# Altium PCB TB-S5D5_v1.2.PcbDoc (part 3 of 3)
Units mm, origin at the board's own origin, x right, y up, seen from the top; angles counter-clockwise.
Board outline 80 x 125 mm, 6 copper layers (Top L1, Sig L2, GND L3, Sig L4, Sig L5, Bot L6), stack 1.601 mm thick; 125 components, 261 nets, 672 pads, 551 vias.
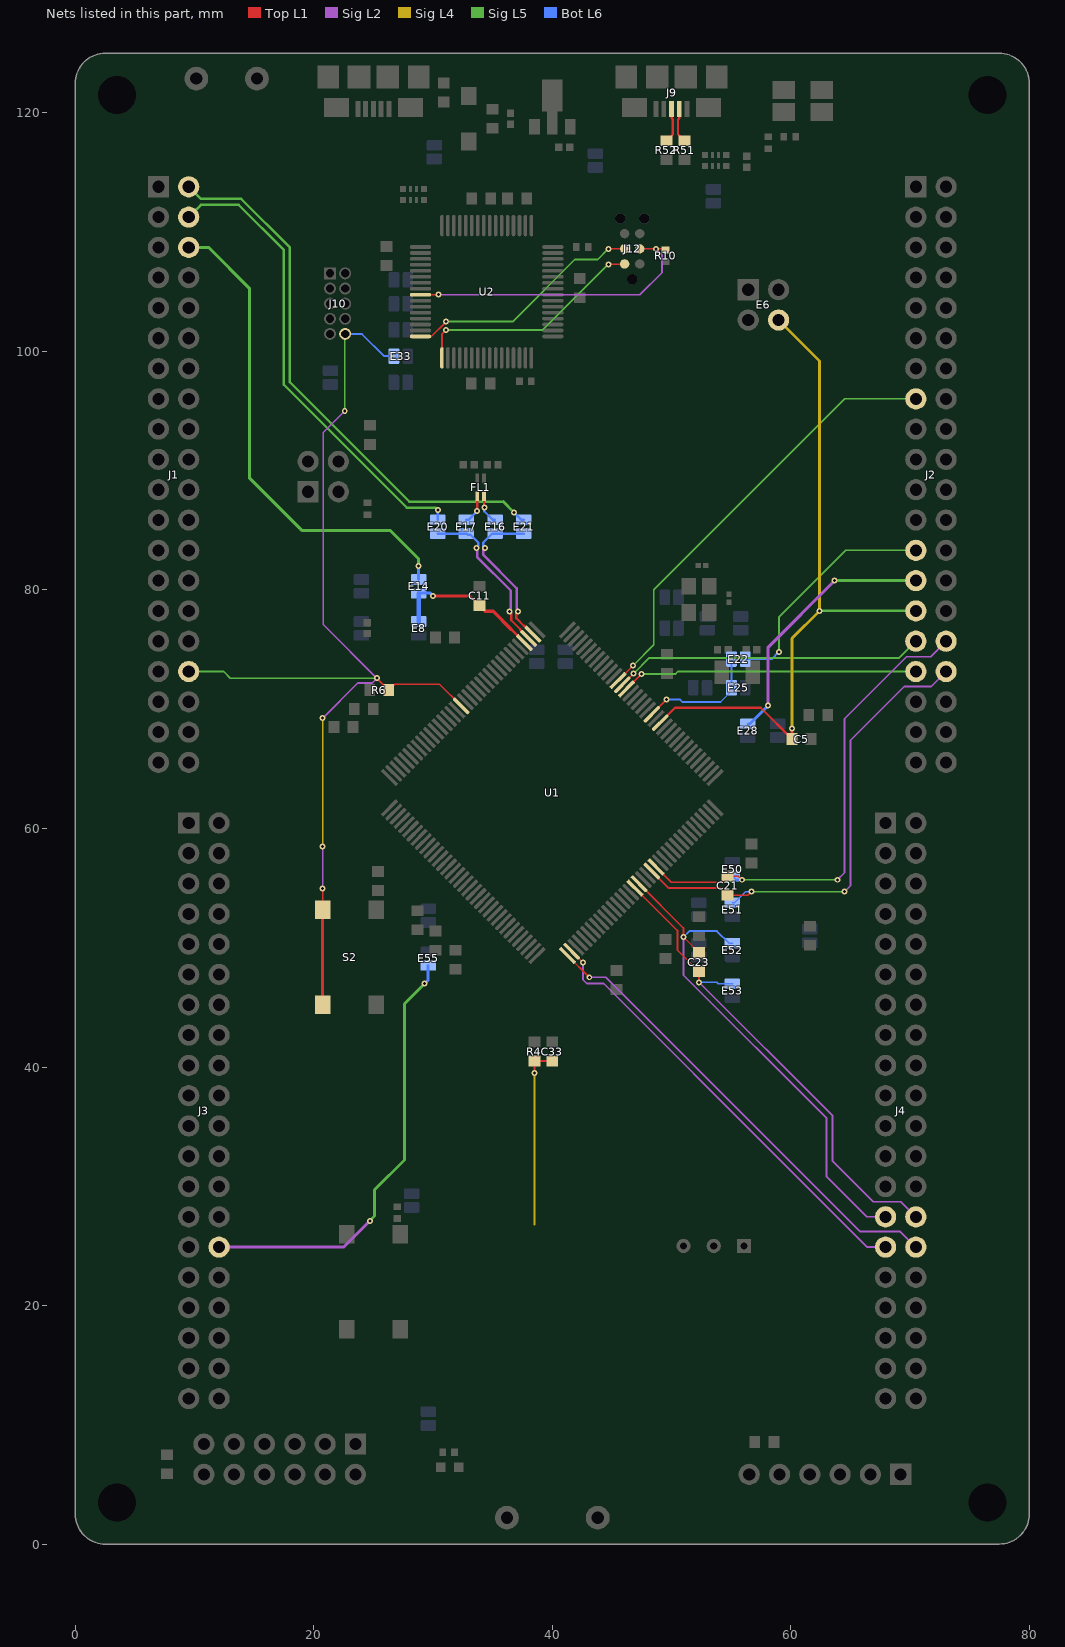
[diagram p7: the nets of this part, all layers, seen from the top]

## Via types
v1: diameter 0.5, hole 0.25, Top L1 to Bot L6, tented both sides, 551 vias

## Nets (pads, with @x,y where several pads share a name; then routed paths per layer and width w, separated by ;. In a path a pad name is that pad's centre, name@x,y a point inside that pad or via, vN(x,y) a via of type N, cw(c..) or ccw(c..) an arc to the next point about the centre after c; other vN are vias at no path point) (continued)
P711: J2.15 U1.24 | length 37.4
  Top L1 w0.15: U1.24@45.515,72.405 v1(46.764,73.654)
  Sig L5 w0.15: v1(46.764,73.654) 48.5,75.389 48.5,80 64.52,96.02 J2.15@70.48,96.02
P712: J2.31 U1.23 | length 26.1
  Top L1 w0.15: U1.23@45.869,72.051 v1(46.814,72.996)
  Sig L5 w0.15: v1(46.814,72.996) 48.118,74.3 69.08,74.3 J2.31@70.48,75.7
P713: J2.33 U1.22 | length 24.9
  Top L1 w0.15: U1.22@46.223,71.697 v1(47.472,72.946)
  Sig L5 w0.15: v1(47.472,72.946) 50.3,72.946 50.514,73.16 J2.33@70.48,73.16
P800: J4.30 U1.109 | length 39.3
  Top L1 w0.15: U1.109@41.273,49.353 v1(43.1,47.526)
  Sig L2 w0.15: v1(43.1,47.526) 44.486,47.526 65.811,26.2 69.18,26.2 J4.30@70.48,24.9
P801: J4.29 U1.110 | length 37.4
  Top L1 w0.15: U1.110@41.626,49.706 v1(42.572,48.761)
  Sig L2 w0.15: v1(42.572,48.761) 42.572,47.328 42.9,47 44.3,47 59.393,31.907 66.4,24.9 J4.29@67.94,24.9
RESET#: E33.1 J1.34 J10.10 R6.1 S2.3 S2.4 U1.55 | length 90.7
  Top L1 w0.15: S2.3@20.75,53.175 v1(20.75,54.95) ; v1(25.3,72.6) R6.1@26.3,71.6 26.8,72.1 30.546,72.1 U1.55@32.363,70.283
  Top L1 w0.25: S2.4@20.75,45.225 S2.3@20.75,53.175
  Sig L2 w0.15: v1(20.75,54.95) v1(20.75,58.5) ; v1(20.75,69.25) 23.7,72.2 24.9,72.2 v1(25.3,72.6) 20.8,77.1 20.8,93.2 v1(22.6,95)
  Sig L5 w0.15: J1.34@9.52,73.16 12.44,73.16 13,72.6 v1(25.3,72.6) ; v1(22.6,95) J10.10@22.6,101.425
  Sig L4 w0.15: v1(20.75,58.5) v1(20.75,69.25)
  Bot L6 w0.15: J10.10@22.635,101.46 24.04,101.46 25.9,99.6 E33.1@26.725,99.6
RESET_OB#: J12.3 R10.1 U2.25 | length 25.4
  Top L1 w0.15: U2.25@28.95,104.75 v1(30.45,104.75) ; J12.3@47.335,108.6 v1(48.7,108.6) 49.4,108.6 R10.1@49.5,108.5
  Sig L2 w0.15: v1(30.45,104.75) 47.35,104.75 49.2,106.6 49.2,108.1 v1(48.7,108.6)
SWCLK_OB: J12.4 U2.32 | length 20.2
  Top L1 w0.15: U2.32@28.95,101.25 29.85,101.25 v1(31.1,102.5) ; v1(44.7,108.6) J12.4@46.065,108.6
  Sig L5 w0.15: v1(31.1,102.5) 36.7,102.5 41.9,107.7 43.8,107.7 v1(44.7,108.6)
SWDIO_OB: J12.2 U2.33 | length 19.8
  Top L1 w0.15: U2.33@30.75,99.45 30.75,101.45 v1(31.1,101.8) ; v1(44.7,107.3) 46.035,107.3 J12.2@46.065,107.33
  Sig L5 w0.15: v1(31.1,101.8) 39.2,101.8 v1(44.7,107.3)
TS_CONN: C33.2 R4.2 | length 15.2
  Top L1 w0.15: v1(38.5,39.5) R4.2@38.5,40.5 C33.2@40,40.5
  Sig L4 w0.15: 38.5,26.8 v1(38.5,39.5)
USB_N: E16.1 FL1.1 | length 2.4
  Top L1 w0.2: v1@34.275,86.925 FL1.1@34.275,87.85
  Bot L6 w0.2: v1(34.3,86.9) 34.3,86.6 35.025,85.875 E16.1@35.2,85.875
USB_P: E17.1 FL1.4 | length 2.4
  Top L1 w0.2: v1@33.725,86.625 FL1.4@33.725,87.85
  Bot L6 w0.2: E17.1@32.8,85.875 32.975,85.875 v1(33.7,86.6)
USBF_N: J9.2 R51.2 | length 2.6
  Top L1 w0.2: J9.2@50.65,120.325 50.65,119.55 50.537,119.438 50.537,118.2 R51.2@50.875,117.862
USBF_P: J9.3 R52.2 | length 2.6
  Top L1 w0.2: R52.2@49.775,117.863 50.112,118.2 50.112,119.438 50,119.55 J9.3@50,120.325
USBMCU_N: E16.2 E21.1 U1.38 | length 13.3
  Top L1 w0.2: v1(37.138,78.2) 36.988,78.05 36.988,77.627 37.614,77.001 37.667,77.001 U1.38@38.374,76.294
  Sig L2 w0.2: v1@34.225,83.388 34.225,82.932 37.025,80.132 37.025,78.313 v1(37.138,78.2) ; v1@34.25,83.413 v1(34.363,83.525)
  Bot L6 w0.2: v1(34.363,83.525) 34.213,83.675 34.213,83.975 34.963,84.725 E16.2@35.2,84.725 E21.1@37.6,84.725
USBMCU_P: E17.2 E20.1 U1.39 | length 13.7
  Top L1 w0.2: v1(36.413,78.2) 36.562,78.05 36.562,77.451 37.313,76.7 37.313,76.647 U1.39@38.02,75.94
  Sig L2 w0.2: v1(33.638,83.525) v1@33.75,83.412 ; v1@33.725,83.387 33.725,82.725 36.525,79.925 36.525,78.313 v1(36.413,78.2)
  Bot L6 w0.2: E20.1@30.4,84.725 E17.2@32.8,84.725 32.9,84.625 33.138,84.625 33.788,83.975 33.788,83.675 v1(33.638,83.525)
USBPH_N: E21.2 J1.2 | length 46.3
  Sig L5 w0.2: J1.2@9.52,113.8 10.54,112.78 13.927,112.78 18,108.707 18,97.407 28.007,87.4 35.9,87.4
  Sig L5 w0.25: 35.9,87.4 v1(36.8,86.5)
  Bot L6 w0.2: v1(36.8,86.5) 37.425,85.875 E21.2@37.6,85.875
USBPH_P: E20.2 J1.4 | length 39.3
  Sig L5 w0.2: J1.4@9.52,111.26 10.54,112.28 13.72,112.28 17.5,108.5 17.5,97.2 27.8,86.9 30.2,86.9 v1(30.4,86.7)
  Bot L6 w0.2: E20.2@30.4,85.875 v1(30.4,86.7)
VBAT: C5.1 E6.4 J2.29 U1.14 | length 58.2
  Top L1 w0.2: U1.14@49.051,68.869 50.3,70.118 57.482,70.118 C5.1@60.1,67.5
  Top L1 w0.25: C5.1@60.1,67.5 v1(60.1,68.4)
  Sig L5 w0.2: v1(62.4,78.24) J2.29@70.48,78.24
  Sig L4 w0.25: E6.4@58.97,102.63 62.4,99.2 v1(62.4,78.24) 60.1,75.94 v1(60.1,68.4)
VCC_USB: E14.2 J1.6 | length 41.1
  Sig L5 w0.25: J1.6@9.52,108.72 11.18,108.72 14.6,105.3 14.6,89.4 19,85 26.4,85 28.8,82.6 v1(28.8,82)
  Bot L6 w0.25: E14.2@28.8,80.875 v1(28.8,82)
VCC_USB_MCU: C11.1 E8.1 E14.1 U1.40 | length 13
  Top L1 w0.2: 36.527,76.727 U1.40@37.667,75.586
  Top L1 w0.25: v1(30,79.5) 33.1,79.5 C11.1@33.9,78.7
  Top L1 w0.3: C11.1@33.9,78.7 34.4,78.2 35.053,78.2 36.527,76.727
  Bot L6 w0.25: E14.1@28.8,79.725 29.775,79.725 v1(30,79.5)
  Bot L6 w0.4: E8.1@28.8,77.35 E14.1@28.8,79.725
VCL: E55.2 J3.30 | length 37
  Sig L2 w0.25: J3.30@12.06,24.9 22.5,24.9 v1(24.7,27.1)
  Sig L5 w0.25: v1(24.7,27.1) 25.1,27.5 25.1,29.7 27.6,32.2 27.6,45.3 v1(29.3,47)
  Bot L6 w0.25: v1(29.3,47) 29.6,47.3 E55.2@29.6,48.525
VCL0: E28.1 J2.27 | length 21.9
  Sig L2 w0.25: v1(58.1,70.3) 58.1,75.2 v1(63.68,80.78)
  Sig L5 w0.25: v1(63.68,80.78) J2.27@70.48,80.78
  Bot L6 w0.25: E28.1@56.4,68.775 56.575,68.775 v1(58.1,70.3)
VREFH: C23.2 E52.1 J4.27 U1.126 | length 44
  Top L1 w0.15: U1.126@47.283,55.363 51,51.646 v1(51,50.9) C23.2@52.3,49.6
  Sig L2 w0.15: v1(51,50.9) 51,47.7 63,35.7 63,30.8 66.36,27.44 J4.27@67.94,27.44
  Bot L6 w0.15: v1(51,50.9) 51.5,51.4 53.8,51.4 54.825,50.375 E52.1@55.1,50.375
VREFH0: C21.2 E50.1 J2.32 U1.130 | length 42
  Top L1 w0.15: U1.130@48.697,56.777 49.975,55.5 54.2,55.5 C21.2@54.7,56 55.6,56 v1(55.9,55.7)
  Sig L2 w0.15: v1(63.9,55.7) 64.5,56.3 64.5,69.2 69.7,74.4 71.72,74.4 J2.32@73.02,75.7
  Sig L5 w0.15: v1(55.9,55.7) v1(63.9,55.7)
  Bot L6 w0.2: E50.1@55.1,56.025 55.425,55.7 v1(55.9,55.7)
VREFL: C23.1 E53.2 J4.28 U1.125 | length 41.5
  Top L1 w0.15: U1.125@46.93,55.01 50.5,51.439 50.5,49.8 C23.1@52.3,48 v1(52.3,47.1)
  Sig L2 w0.15: v1(52.3,47.1) 63.5,35.9 63.5,32.1 66.9,28.7 69.22,28.7 J4.28@70.48,27.44
  Bot L6 w0.15: v1(52.3,47.1) 53.8,47.1 53.925,46.975 E53.2@55.1,46.975
VREFL0: C21.1 E51.2 J2.34 U1.129 | length 42.4
  Top L1 w0.15: U1.129@48.344,56.424 49.768,55 54.1,55 C21.1@54.7,54.4 56.4,54.4 v1(56.7,54.7)
  Sig L2 w0.15: v1(64.5,54.7) 65,55.2 65,67.4 69.5,71.9 71.76,71.9 J2.34@73.02,73.16
  Sig L5 w0.15: v1(56.7,54.7) v1(64.5,54.7)
  Bot L6 w0.15: E51.2@55.1,53.775 55.275,53.775 56.2,54.7 v1(56.7,54.7)
XCIN: E22.1 J2.25 | length 19.8
  Sig L5 w0.15: v1(59,74.8) 59,77.7 64.62,83.32 J2.25@70.48,83.32
  Bot L6 w0.15: E22.1@56.175,74.2 58.4,74.2 v1(59,74.8)
XCIN_MCU: E22.2 E25.2 U1.16 | length 10.1
  Top L1 w0.15: U1.16@48.344,69.576 v1(49.593,70.825)
  Bot L6 w0.15: v1(49.593,70.825) 50.675,70.825 50.9,70.6 54.1,70.6 E25.2@55.025,71.525 ; E25.2@55.025,71.8 E22.2@55.025,74.2
pads on no net: J12.0
copper on no net: | length 6.4
  Top L1 w0.509: 2.754,10 ccw(c2.5,10) 2.754,10 ; 72.254,118 ccw(c72,118) 72.254,118
  Bot L6 w0.509: 2.754,10 ccw(c2.5,10) 2.754,10 ; 72.254,118 ccw(c72,118) 72.254,118

## Polygon pours and split planes (outlines as drawn)
no net on PCB Design Notes "NoTabsRegion_UpperSide" (hatched 90Degree grid 0.508 track 0.203): 55,129.5 55,126 20,126 20,129.5
no net on PCB Design Notes "NoTabsRegion_UpperSide" (hatched 90Degree grid 0.508 track 0.203): 27,-0.5 27,-3.995 7.5,-3.995 7.5,-0.5
no net on PCB Design Notes "NoTabsRegion_UpperSide" (hatched 90Degree grid 0.508 track 0.203): 72.5,-0.5 72.5,-3.995 53.5,-3.995 53.5,-0.5
+3V3JLOB on Sig L4 "+3V3JLOB" (solid, pour order 2): 24.5,113 26.5,115 50.5,115 52.5,113 52.5,99.5 49.5,96.5 30,96.5 24.5,102
+5V_JUSB on Sig L4 "+5V_JUSB" (solid, pour order 0): 13,124.5 13,118.5 16,115.5 34.5,115.5 35.5,116.5 35.5,123.5 34.5,124.5
+3V3 on Sig L4 "3V3_DIST" (solid, remove dead copper, pour order 4): 42,117.5 42,122.5 44,124.5 77.5,124.5 79.5,122.5 79.5,2.525 77.475,0.5 2.525,0.5 0.5,2.525 0.5,8.5 2,10 71,10 72.5,11.5 72.5,61.5 75,64 75,111 69.5,116.5 53,116.5 53,105 62.525,105 62.525,116.5 43,116.5
+3V3MCU on Sig L4 "3V3_MCU_DIST" (solid, remove dead copper, pour order 12): 74.5,106.5 63.5,106.5 63.5,104 53,104 53,99 50,96 29.5,96 24,101.6 24,114.9 16,114.9 12.5,118.4 12.5,124.5 2.525,124.5 0.5,122.475 0.5,16.5 6,11 70.5,11 72,12.5 72,62.5 74.5,65
GND on Top L1 "GND_TOP" (solid, remove dead copper, pour order 8): 1.5,124.5 78.5,124.5 79.5,123.5 79.5,1.5 78.5,0.5 1.5,0.5 0.5,1.5 0.5,123.5
GND on Bot L6 "GND_BOT" (solid, remove dead copper, pour order 10): 1.5,124.5 78.5,124.5 79.5,123.5 79.5,1.5 78.5,0.5 1.5,0.5 0.5,1.5 0.5,123.5
GND on Sig L2 "GND_L2" (solid, remove dead copper, pour order 14): 1.5,124.5 78.5,124.5 79.5,123.5 79.5,1.5 78.5,0.5 1.5,0.5 0.5,1.5 0.5,123.5
GND on Sig L5 "GND_L5" (solid, remove dead copper, pour order 16): 1.5,124.5 78.5,124.5 79.5,123.5 79.5,1.5 78.5,0.5 1.5,0.5 0.5,1.5 0.5,123.5
GND on GND L3 (split plane): 77.659,124.482 77.856,124.453 78.05,124.404 78.238,124.337 78.418,124.252 78.589,124.15 78.749,124.031 78.897,123.897 79.031,123.749 79.15,123.589 79.252,123.418 79.337,123.238 79.404,123.05 79.453,122.856 79.482,122.659 79.491,122.486 79.49,122.475 79.49,2.54 79.491,2.524 79.482,2.341 79.453,2.144 79.404,1.95 79.337,1.762 79.252,1.582 79.15,1.411 79.031,1.251 78.897,1.103 78.749,0.969 78.589,0.85 78.418,0.748 78.238,0.663 78.05,0.596 77.856,0.547 77.659,0.518 77.486,0.509 77.475,0.51 2.55,0.51 2.549,0.51 2.547,0.51 2.537,0.51 2.523,0.509 2.341,0.518 2.144,0.547 1.95,0.596 1.762,0.663 1.582,0.748 1.411,0.85 1.251,0.969 1.103,1.103 0.969,1.251 0.85,1.411 0.748,1.582 0.663,1.762 0.596,1.95 0.547,2.144 0.518,2.341 0.509,2.514 0.51,2.525 0.51,122.46 0.509,122.476 0.518,122.659 0.547,122.856 0.596,123.05 0.663,123.238 0.748,123.418 0.85,123.589 0.969,123.749 1.103,123.897 1.251,124.031 1.411,124.15 1.582,124.252 1.762,124.337 1.95,124.404 2.144,124.453 2.341,124.482 2.514,124.491 2.525,124.49 77.46,124.49 77.476,124.491

## Keep-outs
Keep-Out Layer:
  circle w0.1: c3.5,3.5 r3.5
  circle w0.1: c76.5,3.5 r3.5
  circle w0.1: c3.5,121.5 r3.5
  circle w0.1: c76.5,121.5 r3.5
  circle w0.542: c72,118 r0.93
  circle w0.542: c2.5,10 r0.93

## Other copper
Top L1:
  pour cut-out: 27.8,109.158 30.1,109.158 30.1,100.842 27.8,100.842
  pour cut-out: 38.658,111.7 38.658,109.4 30.342,109.4 30.342,111.7
  pour cut-out: 41.2,100.842 38.9,100.842 38.9,109.158 41.2,109.158
  pour cut-out: 54.6,61.2 53.042,62.758 40.242,49.958 41.8,48.4
  pour cut-out: 26.958,62.758 25.38,61.18 38.18,48.38 39.758,49.958
  pour cut-out: 53.042,63.242 54.62,64.82 41.82,77.62 40.242,76.042
  pour cut-out: 25.4,64.8 26.958,63.242 39.758,76.042 38.2,77.6
  pour cut-out: 45.2,111.7 48.2,111.7 48.2,105.6 45.2,105.6
  pour cut-out: 29.713,112.25 27.013,112.25 27.013,114.05 29.713,114.05
  pour cut-out: 30.342,98.3 30.342,100.6 38.658,100.6 38.658,98.3
  pour cut-out: 37,43.5 37,39 40.8,39 40.8,43.5
Sig L2:
  pour cut-out: 32.5,16.5 44.5,16.5 44.5,28.5 32.5,28.5
  pour cut-out: 37,43.5 37,39 40.8,39 40.8,43.5
Sig L5:
  rectangle: 38.2,74.275 39.2,74.525
  rectangle: 28.3,76.65 29.3,76.9
  rectangle: 32.3,85.175 33.3,85.425
  rectangle: 34.7,85.175 35.7,85.425
  rectangle: 52.5,77.075 53.5,77.325
  region: 50.125,76.3 50.125,77.3 49.875,77.3 49.875,76.3
  region: 50.125,78.9 50.125,79.9 49.875,79.9 49.875,78.9
  region: 52.525,71.3 52.525,72.3 52.275,72.3 52.275,71.3
  region: 55.725,71.3 55.725,72.3 55.475,72.3 55.475,71.3
  region: 59.4,68.325 58.4,68.325 58.4,68.075 59.4,68.075
  region: 30.6,116.825 29.6,116.825 29.6,116.575 30.6,116.575
  region: 44.1,116.125 43.1,116.125 43.1,115.875 44.1,115.875
  region: 54,113.125 53,113.125 53,112.875 54,112.875
  region: 27.175,106.5 27.175,105.5 27.425,105.5 27.425,106.5
  region: 27.175,104.5 27.175,103.5 27.425,103.5 27.425,104.5
  region: 27.175,102.3 27.175,101.3 27.425,101.3 27.425,102.3
  region: 27.175,97.9 27.175,96.9 27.425,96.9 27.425,97.9
  region: 27.175,100.1 27.175,99.1 27.425,99.1 27.425,100.1
  rectangle: 23.5,76.65 24.5,76.9
  rectangle: 29.1,10.4 30.1,10.65
  rectangle: 27.7,28.675 28.7,28.925
  rectangle: 29.3,52.575 29.9,52.825
  rectangle: 54.6,46.275 55.6,46.525
  rectangle: 54.6,49.675 55.6,49.925
  rectangle: 54.6,53.075 55.6,53.325
  rectangle: 51.8,53.075 52.8,53.325
  rectangle: 54.6,56.475 55.6,56.725
  rectangle: 51.8,49.675 52.8,49.925
  pour cut-out: 32.5,16.5 44.5,16.5 44.5,28.5 32.5,28.5
  pour cut-out: 37,43.5 37,39 40.8,39 40.8,43.5
Sig L4:
  rectangle net TS_CONN: 33.5,17.5 43.5,27.5
  pour cut-out: 32.5,16.5 44.5,16.5 44.5,28.5 32.5,28.5
  pour cut-out: 37,43.5 37,39 40.8,39 40.8,43.5
Bot L6:
  pour cut-out: 37,43.5 37,39 40.8,39 40.8,43.5
GND L3 (plane layer: these items are gaps in the copper):
  rectangle: 32.5,16.5 44.5,28.5
  rectangle: 37,39 40.8,43.5
  lines w1: 44,17 44,17.1

## Silkscreen, mask and mechanical layers (free items; w line width, h text height)
Top Overlay:
  circle w0.4: c21.8,81.3 r0.2
  circle w0.4: c21.8,79.3 r0.2
  circle w0.4: c19.8,81.3 r0.2
  circle w0.4: c19.8,79.3 r0.2
  circle w0.4: c19.8,82.8 r0.2
  circle w0.4: c19.8,84.8 r0.2
  circle w0.4: c21.8,82.8 r0.2
  circle w0.4: c21.8,84.8 r0.2
  region: 51.916,37.733
  region: 52.294,37.505
  region: 51.241,38.236
  region: 51.975,38.146 51.974,38.146 51.975,38.146
  lines w0.18: 18,124.5 18,96.5 ; 30,124.5 30,114.4 63,114.4 63,96.5 51.4,96.5 ; 42.8,114.4 42.8,124.5 ; 51.4,114.4 51.4,96.5 ; 57.2,114.4 57.2,124.5 ; 18,96.5 18,78.3 30.1,78.3 30.1,96.5 ; 18,96.5 30.1,96.5 ; 30.1,96.5 51.4,96.5 ; 19,14.5 61,14.5 61,32 19,32 19,14.5
  lines w0.4: 19.8,79.3 21.8,79.3 ; 19.8,82.8 19.8,84.8
  text "PWR" at 65.1,121.9 h2
  text "DEBUG" at 65.1,119.5 h2
  text "GND" at 8.335,117.985 h2.5
  text "5V" at 14.235,117.985 h2.5
  text "DEBUG" at 22.2,116.4 h2.5
  text "DEVICE" at 42.89,116.1 h2.5
  text "USB" at 23.3,114.7 h2.5
  text "3.3V LDO" at 30.2,114.6 h2.5
  text "USB" at 42.89,114.6 h2.5
  text "SCL1" at 0.8,113.251 h2
  text "USB_DM" at 11.191,113.251 h2
  text "P412" at 64.401,113.251 h2
  text "RXD0" at 74.55,113.251 h2
  text "JTAG" at 19.9,112.1 h2.5
  text "CURRENT / MEAS" at 51.4,111.1 h2.5
  text "USB_DP" at 11.191,110.711 h2
  text "P414" at 65.601,110.711 h2
  text "TXD0" at 74.55,110.711 h2
  text "SDA1" at 2,110.7 h2
  text "+3V3" at 55.7,108.7 h2.5
  text "VCC_USB" at 11.191,108.3 h2
  text "RSPCKB" at 0.4,108.2 h2
  text "P415" at 65.601,108.171 h2
  text "SCK0" at 74.55,108.171 h2
  text "MOSIB" at 1,105.7 h2
  text "P207" at 11.191,105.631 h2
  text "P708" at 65.601,105.631 h2
  text "CTS0" at 74.55,105.631 h2
  text "MISOB" at 1,103.1 h2
  text "P203" at 11.191,103.091 h2
  text "N.C." at 66.151,103.091 h2
  text "VCC" at 74.55,103.091 h2
  text "S124" at 41.3,101.9 h2.5
  text "SSLB2" at 1.6,100.6 h2
  text "P202" at 11.191,100.551 h2
  text "P709" at 65.601,100.551 h2
  text "VSS" at 74.55,100.551 h2
  text "VBAT" at 62,99.5 h2.5 r90
  text "J-LINK / MCU" at 41.3,98.8 h2.5
  text "P313" at 11.191,98.011 h2
  text "P710" at 65.601,98.011 h2
  text "TSCAP" at 74.55,98.011 h2
  text "SSLB0" at 1.6,98 h2
  text "3V3MCU" at 54.7,96.8 h2.5 r90
  text "DEBUG" at 45.4,96.7 h2.5
  text "VCC" at 2.8,95.5 h2
  text "N.C." at 11.191,95.471 h2
  text "P711" at 65.601,95.471 h2
  text "CTTS4" at 74.55,95.471 h2
  text "BOOT CONFIG" at 18.2,95 h2.5
  text "VSS" at 3,93 h2
  text "N.C." at 11.191,92.931 h2
  text "N.C." at 66.151,92.931 h2
  text "CTTS5" at 74.55,92.931 h2
  text "RXD9" at 1.9,90.4 h2
  text "P214" at 11.191,90.391 h2
  text "P212" at 65.601,90.391 h2
  text "CTTS7" at 74.55,90.391 h2
  text "TXD9" at 1.95,87.9 h2
  text "P211" at 11.191,87.851 h2
  text "P213" at 65.601,87.851 h2
  text "CTTS3" at 74.55,87.851 h2
  text "N.C." at 11.191,85.311 h2
  text "N.C." at 66.201,85.311 h2
  text "AN100" at 74.55,85.311 h2
  text "SCK9" at 2.2,85.3 h2
  text "INTERNAL" at 22.8,83.9 h2
  text "CTS9" at 2.3,82.8 h2
  text "N.C." at 11.191,82.771 h2
  text "XCIN" at 65.601,82.771 h2
  text "AN007" at 74.55,82.771 h2
  text "FLASH" at 22.8,82.6 h2
  text "SCI/USB" at 22.8,80.5 h2
  text "CRX0" at 2,80.3 h2
  text "P210" at 11.191,80.231 h2
  text "VCL0" at 65.501,80.231 h2
  text "AN001" at 74.55,80.231 h2
  text "BOOT" at 22.8,79.1 h2
  text "CTX0" at 2.15,77.7 h2
  text "P209" at 11.191,77.691 h2
  text "VBAT" at 65.151,77.691 h2
  text "AN000" at 74.55,77.691 h2
  text "GTIOC0A" at 0.66,75.193 h1.6
  text "VREFH0" at 74.55,75.179 h1.8
  text "P208" at 11.191,75.151 h2
  text "P712" at 65.601,75.151 h2
  text "GTIOC3A" at 0.65,72.7 h1.6
  text "RESET#" at 11.05,72.611 h2
  text "P713" at 65.651,72.611 h2
  text "VREFL0" at 74.55,72.611 h1.8
  text "GTIOC0B" at 0.8,70.1 h1.6
  text "MD" at 11.05,70.071 h2
  text "N.C." at 66.201,70.071 h2
  text "AVSS0" at 74.55,70.071 h2
  text "GTETRG" at 0.8,67.6 h1.75
  text "NMI" at 11.05,67.531 h2
  text "N.C." at 66.201,67.531 h2
  text "AVCC0" at 74.55,67.531 h2
  text "DA1" at 2.8,65 h2
  text "N.C." at 11.191,64.991 h2
  text "P705" at 65.601,64.991 h2
  text "DA0" at 74.55,64.991 h2
  text "N.C." at 3.821,59.911 h2
  text "N.C." at 13.731,59.911 h2
  text "P704" at 61.861,59.911 h2
  text "SD1DAT7" at 72.171,59.911 h2
  text "N.C." at 5.241,57.371 h2
  text "P312" at 13.731,57.371 h2
  text "P703" at 63.061,57.371 h2
  text "SD1DAT6" at 72.171,57.371 h2
  text "P311" at 4.621,54.831 h2
  text "P310" at 13.731,54.831 h2
  text "P702" at 63.061,54.831 h2
  text "SD1DAT5" at 72.171,54.831 h2
  text "P309" at 4.621,52.291 h2
  text "P308" at 13.731,52.291 h2
  text "P701" at 63.061,52.291 h2
  text "SD1DAT4" at 72.171,52.291 h2
  text "P307" at 4.621,49.751 h2
  text "P306" at 13.731,49.751 h2
  text "P700" at 63.061,49.751 h2
  text "SD1DAT3" at 72.171,49.751 h2
  text "P305" at 4.621,47.211 h2
  text "P304" at 13.731,47.211 h2
  text "P401" at 63.061,47.211 h2
  text "SD1DAT2" at 72.171,47.211 h2
  text "P303" at 4.621,44.671 h2
  text "P302" at 13.731,44.671 h2
  text "P400" at 63.061,44.671 h2
  text "SD1DAT1" at 72.171,44.671 h2
  text "R7FS5D57C3A01CFB" at 29.9,44.346 h3
  text "RESET" at 20.5,42.5 h2.5
  text "P112" at 4.621,42.131 h2
  text "P113" at 13.731,42.131 h2
  text "P512" at 63.061,42.131 h2
  text "SD1DAT0" at 72.171,42.131 h2
  text "P114" at 4.621,39.591 h2
  text "P115" at 13.731,39.591 h2
  text "P002" at 63.061,39.591 h2
  text "SD1CMD" at 72.171,39.591 h2
  text "P608" at 4.621,37.051 h2
  text "P609" at 13.731,37.051 h2
  text "P005" at 63.061,37.051 h2
  text "SD1CLK" at 72.171,37.051 h2
  text "P610" at 4.621,34.511 h2
  text "P611" at 13.731,34.511 h2
  text "P006" at 63.061,34.511 h2
  text "SD1CD" at 72.171,34.511 h2
  text "P612" at 4.621,31.971 h2
  text "P613" at 13.731,31.971 h2
  text "P007" at 63.061,31.971 h2
  text "SDGPIO" at 72.171,31.971 h2
  text "USER INPUT" at 19.2,30.5 h2.5
  text "P614" at 4.621,29.431 h2
  text "N.C." at 13.731,29.431 h2
  text "P008" at 63.061,29.431 h2
  text "P009" at 72.171,29.431 h2
  text "N.C." at 5.241,26.891 h2
  text "N.C." at 13.731,26.891 h2
  text "VREFH" at 61.911,26.891 h2
  text "VREFL" at 72.171,26.891 h2
  text "N.C." at 5.241,24.351 h2
  text "VCL" at 13.731,24.351 h2
  text "P801" at 63.061,24.351 h2
  text "P800" at 72.171,24.351 h2
  text "N.C." at 5.241,21.811 h2
  text "N.C." at 13.731,21.811 h2
  text "N.C." at 63.661,21.811 h2
  text "N.C." at 72.201,21.811 h2
  text "N.C." at 5.241,19.271 h2
  text "N.C." at 13.731,19.271 h2
  text "N.C." at 63.661,19.271 h2
  text "N.C." at 72.201,19.271 h2
  text "P605" at 4.621,16.731 h2
  text "P604" at 13.731,16.731 h2
  text "N.C." at 63.661,16.731 h2
  text "GND" at 72.171,16.731 h2
  text "USER BTN" at 20.9,15 h2.5
  text "TOUCH BTN" at 33.7,15 h2.5
  text "USER POT" at 49.5,15 h2.5
  text "P107" at 4.621,14.191 h2
  text "P106" at 13.731,14.191 h2
  text "VCC" at 63.611,14.191 h2
  text "N.C." at 72.201,14.191 h2
  text "P104" at 4.621,11.651 h2
  text "N.C." at 13.731,11.651 h2
  text "N.C." at 63.661,11.651 h2
  text "N.C." at 72.201,11.651 h2
  text "PMOD A" at 20.5,11.2 h3
  text "J-Link OB / www.segger.com" at 31.4,10 h2.16
  text "PMOD B" at 59.9,8.3 h3
  text "3V3" at 34.7,5.5 h2.5
  text "GND" at 41.9,5.5 h2.5
Bottom Overlay:
  rectangle: 39,6 55,15
  lines w0.18: 33.3,83.3 30.5,83.3 30.5,73.7 27.1,73.7 27.1,83.3 28.7,83.3 ; 48,74.9 48,70.2 60.4,70.2 60.4,65.1 54.9,65.1 54.9,70.2 ; 57.4,75.5 57.4,81 45.6,81 45.6,75.5 60,75.5 60,70.2 ; 28.7,83.3 39.3,83.3 39.3,88.3 28.7,88.3 28.7,83.3 ; 22.3,73.7 22.3,83.3 25.7,83.3 25.7,73.7 22.3,73.7 ; 25.2,95.7 25.2,107.7 31.9,107.7 31.9,95.7 25.2,95.7 ; 26.7,47.1 31.2,47.1 31.2,54.5 26.7,54.5 26.7,47.1 ; 36.8,72.3 36.8,77.8 42.8,77.8 42.8,72.3 36.8,72.3 ; 50.6,44.5 50.6,58.3 57.8,58.3 57.8,44.5 50.6,44.5 ; 54.9,101.06 60.494,101.06 60.494,106.74 54.9,106.74 54.9,101.06
  text "http://renesassynergy.com/kits/'.PROJECT_DESIG_LC'" at 57.1,121.5 h2.5
  text "USB 5V / LDO 5V" at 28.7,115.6 h2
  text "+3V3 / +3V3JLOB" at 51.6,114.8 h2
  text "P100" at 5.269,113.251 h2
  text "USB_DM" at 17.009,113.251 h2
  text "P412" at 68.749,113.251 h2
  text "P410" at 77.939,113.251 h2
  text "USB_VBUS / P407" at 62.1,111.7 h2
  text "P206" at 5.269,110.711 h2
  text "USB_DP" at 16.509,110.711 h2
  text "P414" at 68.749,110.711 h2
  text "P101" at 77.889,110.711 h2
  text "VCC_USB" at 17.4,108.3 h2
  text "P204" at 5.269,108.171 h2
  text "P415" at 68.749,108.171 h2
  text "P102" at 77.889,108.171 h2
  text "VBAT  +3V3_MCU" at 62,107.2 h2
  text "P207" at 14.359,105.631 h2
  text "P708" at 68.749,105.631 h2
  text "P413" at 77.889,105.631 h2
  text "P109- / TXD9" at 5.55,104.8 h2
  text "P203" at 14.359,103.091 h2
  text "N.C." at 68.749,103.091 h2
  text "VCC" at 77.389,103.091 h2
  text "P110- / RXD9" at 5.55,102.1 h2
  text "J-LINK" at 36.5,101.2 h2
  text "P301" at 5.269,100.551 h2
  text "P202" at 14.359,100.551 h2
  text "P709" at 68.749,100.551 h2
  text "GND" at 77.739,100.551 h2
  text "P108" at 5.269,98.011 h2
  text "P313" at 14.359,98.011 h2
  text "P710" at 68.749,98.011 h2
  text "P205" at 77.889,98.011 h2
  text "VCC" at 5.269,95.471 h2
  text "N.C." at 13.804,95.471 h2
  text "P711" at 68.749,95.471 h2
  text "P408" at 77.939,95.471 h2
  text "JTAG / GNDDETECT" at 25.6,93.5 h2
  text "GND" at 5.269,92.931 h2
  text "N.C." at 13.804,92.931 h2
  text "N.C." at 68.749,92.931 h2
  text "P409" at 77.889,92.931 h2
  text "P601" at 5.269,90.391 h2
  text "P214" at 14.359,90.391 h2
  text "P212" at 68.749,90.391 h2
  text "P411" at 77.889,90.391 h2
  text "USB FS" at 39.4,88.6 h2
  text "P602" at 5.269,87.851 h2
  text "P211" at 14.359,87.851 h2
  text "P213" at 68.749,87.851 h2
  text "P407" at 77.889,87.851 h2
  text "P600" at 5.269,85.311 h2
  text "N.C." at 13.804,85.311 h2
  text "N.C." at 68.749,85.311 h2
  text "P004" at 77.939,85.311 h2
  text "P603" at 5.269,82.771 h2
  text "N.C." at 13.804,82.771 h2
  text "XCIN" at 68.749,82.771 h2
  text "P003" at 77.889,82.771 h2
  text "12M XTAL / P212/P213" at 57.4,81.3 h2
  text "P402" at 5.269,80.231 h2
  text "P210" at 14.359,80.231 h2
  text "VCL0" at 68.749,80.231 h2
  text "P001" at 77.889,80.231 h2
  text "TOUCH BTN" at 43.8,78.1 h2
  text "P103" at 5.269,77.691 h2
  text "P209" at 14.359,77.691 h2
  text "VBAT" at 68.749,77.691 h2
  text "P000" at 77.889,77.691 h2
  text "VCC / USB" at 33.4,77.3 h2
  text "P205 / OR / TSCAP-A" at 22,76.7 h2
  text "P300" at 5.269,75.151 h2
  text "P208" at 14.359,75.151 h2
  text "P712" at 68.749,75.151 h2
  text "VREFH0" at 79.389,75.151 h1.8
  text "P111" at 5.269,72.611 h2
  text "P713" at 68.749,72.611 h2
  text "VREFL0" at 79.089,72.611 h1.8
  text "RESET#" at 15.95,72.6 h2
  text "32K / XTAL / XCIN" at 47.6,71 h2
  text "AVSS0" at 79,70.1 h2
  text "P511" at 5.269,70.071 h2
  text "P201" at 14.359,70.071 h2
  text "N.C." at 68.749,70.071 h2
  text "AVCC0" at 79.15,67.6 h2
  text "P105" at 5.269,67.531 h2
  text "P200" at 14.359,67.531 h2
  text "N.C." at 68.749,67.531 h2
  text "EXT VCL0 / AND / VCL0 CAP" at 54.6,66.1 h2
  text "P015" at 5.269,64.991 h2
  text "N.C." at 13.804,64.991 h2
  text "P705" at 68.749,64.991 h2
  text "P014" at 77.889,64.991 h2
  text "N.C." at 7.779,59.911 h2
  text "N.C." at 16.394,59.911 h2
  text "P704" at 66.189,59.911 h2
  text "P403" at 75.429,59.911 h2
  text "N.C." at 7.779,57.371 h2
  text "P312" at 16.969,57.371 h2
  text "P703" at 66.189,57.371 h2
  text "P404" at 75.429,57.371 h2
  text "'.PROJECT_DESIG'" at 44.9,55.9 h3.5
  text "P311" at 7.779,54.831 h2
  text "P310" at 16.969,54.831 h2
  text "P702" at 66.189,54.831 h2
  text "P405" at 75.429,54.831 h2
  text "P309" at 7.779,52.291 h2
  text "P308" at 16.969,52.291 h2
  text "P701" at 66.189,52.291 h2
  text "P406" at 75.429,52.291 h2
  text "P307" at 7.779,49.751 h2
  text "P306" at 16.969,49.751 h2
  text "P700" at 66.189,49.751 h2
  text "P505" at 75.429,49.751 h2
  text "EXT VCL / AND / VCL CAP" at 26.4,49 h2
  text "P305" at 7.779,47.211 h2
  text "P304" at 16.969,47.211 h2
  text "P401" at 66.189,47.211 h2
  text "P504" at 75.429,47.211 h2
  text "P303" at 7.779,44.671 h2
  text "P302" at 16.969,44.671 h2
  text "P400" at 66.189,44.671 h2
  text "P503" at 75.429,44.671 h2
  text "USER POT" at 61.1,42.6 h2 r270
  text "P112" at 7.779,42.131 h2
  text "P113" at 16.969,42.131 h2
  text "P512" at 66.189,42.131 h2
  text "P502" at 75.429,42.131 h2
  text "P114" at 7.779,39.591 h2
  text "P115" at 16.969,39.591 h2
  text "P002" at 66.189,39.591 h2
  text "P501" at 75.429,39.591 h2
  text "P608" at 7.779,37.051 h2
  text "P609" at 16.969,37.051 h2
  text "P005" at 66.189,37.051 h2
  text "P500" at 75.429,37.051 h2
  text "W" at 25,36 h10
  text "P610" at 7.779,34.511 h2
  text "P611" at 16.969,34.511 h2
  text "P006" at 66.189,34.511 h2
  text "P506" at 75.429,34.511 h2
  text "b" at 36.3,32.9 h15
  text "P612" at 7.779,31.971 h2
  text "P613" at 16.969,31.971 h2
  text "P007" at 66.189,31.971 h2
  text "P508" at 75.429,31.971 h2
  text "P614" at 7.779,29.431 h2
  text "N.C." at 16.394,29.431 h2
  text "P008" at 66.189,29.431 h2
  text "P009" at 75.379,29.431 h2
  text "VREFH/VREFH0/AVCC0 /   ->_+3V3MCU / VREFL/VREFL0/AVSS0 /   ->GND" at 51.3,28.6 h2 r270
  text "P105 / USER SW" at 26.8,27.6 h2
  text "N.C." at 7.779,26.891 h2
  text "N.C." at 16.394,26.891 h2
  text "VREFH" at 66.189,26.891 h2
  text "VREFL" at 76.279,26.891 h2
  text "N.C." at 7.779,24.351 h2
  text "VCL" at 16.294,24.351 h2
  text "P801" at 66.189,24.351 h2
  text "P800" at 75.429,24.351 h2
  text "N.C." at 7.779,21.811 h2
  text "N.C." at 16.394,21.811 h2
  text "N.C." at 66.199,21.811 h2
  text "N.C." at 74.814,21.811 h2
  text "N.C." at 7.779,19.271 h2
  text "N.C." at 16.394,19.271 h2
  text "N.C." at 66.199,19.271 h2
  text "N.C." at 74.814,19.271 h2
  text "C" at 25.7,17.4 h10
  text "P605" at 7.779,16.731 h2
  text "P604" at 16.969,16.731 h2
  text "N.C." at 66.199,16.731 h2
  text "GND" at 75.229,16.731 h2
  text "'.PCB_SPN'" at 53.7,16.6 h2
  text "e" at 36.3,15.9 h10
  text "P107" at 7.779,14.191 h2
  text "P106" at 16.969,14.191 h2
  text "VCC" at 66.189,14.191 h2
  text "N.C." at 74.814,14.191 h2
  text "P104" at 7.779,11.651 h2
  text "N.C." at 16.394,11.651 h2
  text "N.C." at 66.199,11.651 h2
  text "N.C." at 74.814,11.651 h2
  text "P106 / USER LED" at 37.3,9.425 h2
  text "'.PROJECT_DESIG'_REV_ '.PROJECT_VERSION'" at 22.5,3 h2
Top Solder:
  circle w1.27: c2.5,10 r0.635
  circle w1.27: c72,118 r0.635
  region: 27.9,109 27.9,101 30,101 30,109
  region: 38.5,111.6 30.5,111.6 30.5,109.5 38.5,109.5
  region: 41.1,101 41.1,109 39,109 39,101
  rectangle: 30.5,98.4 38.5,100.5
Bottom Solder:
  circle w1.27: c2.5,10 r0.635
  circle w1.27: c72,118 r0.635
PCB Outline:
  lines w0.1: 2.54,0 cw(c2.54,2.54) 0,2.525 0,122.46 cw(c2.54,122.46) 2.525,125 77.46,125 cw(c77.46,122.46) 80,122.475 80,2.54 cw(c77.46,2.54) 77.475,0 2.55,0
PCB Fab Specs:
  drawing of 33 lines, arcs and shapes, not listed
  text "FABRICATION NOTES" at 163.981,153.8 h6
  text "STACKUP DIAGRAM" at 239.131,153.8 h6
  text "PLEASE READ THOROUGHLY" at 173.081,151.3 h3
  text "LAYER NAME" at 234.131,150.8 h3.25
  text "THICKNESS (μm)" at 274.131,150.8 h3.25
  text "Design Features" at 149.081,147.3 h4.56
  text "25" at 286.131,146.3 h3.25
  text "SOLDER MASK" at 247.131,145.8 h3.25
  text "Number of layers:  6" at 152.081,143.3 h3.25
  text "LAYER 1 TOP (Finished)" at 234.131,142.8 h3.25
  text "52" at 286.131,142.8 h3.25
  text "Smallest Trace/Space:  0.15mm / 0.15mm" at 152.081,140.3 h3.25
  text "153" at 286.131,139.3 h3.25
  text "PREPREG 1" at 247.131,138.8 h3.25
  text "Smallest Via Drill/Pad:  0.25mm / 0.50mm" at 152.081,137.3 h3.25
  text "LAYER 2 SIGNAL" at 234.131,135.8 h3.25
  text "33" at 286.131,135.8 h3.25
  text "Impedance Control:  NO" at 152.081,134.3 h3.25
  text "Gold Fingers:  NO" at 181.081,134.3 h3.25
  text "356" at 286.131,132.3 h3.25
  text "CORE DIELECTRIC" at 247.131,131.8 h3.25
  text "Silkscreen (Top & Bottom)   Color: WHITE" at 152.081,131.3 h3.25
  text "LAYER 3 PLANE" at 234.131,128.8 h3.25
  text "33" at 286.131,128.8 h3.25
  text "Soldermask (Top & Bottom)   Color:" at 152.081,128.3 h3.25
  text "348" at 286.131,125.3 h3.25
  text "PREPREG 2" at 247.131,124.8 h3.25
  text "LAYER 4 SIGNAL" at 234.131,121.8 h3.25
  text "33" at 286.131,121.8 h3.25
  text "356" at 286.131,118.3 h3.25
  text "Renesas blue / CMYK 95/90/0/0 / RGB 55/52/139 / Medium Gloss" at 156.981,117.8 h3.25
  text "CORE DIELECTRIC" at 247.131,117.8 h3.25
  text "LAYER 5 SIGNAL" at 234.131,114.8 h3.25
  text "33" at 286.131,114.8 h3.25
  text "Materials and Ratings" at 149.081,114.3 h4.56
  text "153" at 286.131,111.3 h3.25
  text "PREPREG 1" at 247.131,110.8 h3.25
  text "Core Material:  FR4" at 152.081,110.3 h3.25
  text "Tg (C min): 170" at 175.081,110.3 h3.25
  text "Td (C min): 330" at 195.081,110.3 h3.25
  text "LAYER 6 BOTTOM (Finished)" at 234.131,107.8 h3.25
  text "52" at 286.131,107.8 h3.25
  text "PAD Finish:  ENIG" at 152.081,107.3 h3.25
  text "Finished board thickness:  1.57 mm (+/-10%)" at 152.081,104.3 h3.25
  text "25" at 286.131,104.3 h3.25
  text "SOLDER MASK" at 247.131,103.8 h3.25
  text "Notes:" at 233.631,101.8 h2.5
  text "Finished outer layer Cu min thickness:  52 μm / 1oz+" at 152.081,101.3 h3.25
  text "1. Inner layer Cu thicknesses are reference values; std IPC tolerances accepted" at 235.981,99.8 h2.5
  text "Copper thickness - inner layers:  33 μm / 1oz" at 152.081,98.3 h3.25
  text "2. Trace and pair impedance estimates based on dielectric constants" at 235.981,97.8 h2.5
  text "εr" at 263.981,95.778 h2.5
  text "Dielectric Type" at 237.981,95.436 h2.5
  text "ROHS Required: YES     UL94V Rating: UL94V-0" at 152.081,95.3 h3.25
  text "4.0" at 263.981,93.78 h2.5
  text "Solder Mask (LPI)" at 237.981,93.456 h2.5
  text "IPC-A-6011/IPC-A-6012 Class: 2  Inspect per IPC-A-600" at 152.081,92.3 h3.25
  text "Core Dielectric" at 237.981,91.78 h2.5
  text "4.5" at 263.981,91.78 h2.5
  text "3.9" at 263.981,89.78 h2.5
  text "Prepreg 1 Dielectric" at 237.981,89.434 h2.5
  text "Process and Panelization" at 149.081,88.3 h4.56
  text "4.2" at 263.981,87.79 h2.5
  text "Prepreg 2 Dielectric" at 237.981,87.434 h2.5
  text "Inner Thieving/Balancing OK?  YES" at 152.081,84.3 h3.25
  text "Keepaway:  2.5mm" at 192.081,84.3 h3.25
  text "Outer Thieving/Balancing OK?  NO" at 152.081,81.3 h3.25
  text "Keepaway:  2.5mm" at 192.081,81.3 h3.25
  text "Electrical 100% Test Requested:  YES" at 152.081,78.3 h3.25
  text "Panelization Requested:  YES" at 152.081,75.3 h3.25
  text "Panelization Method:  TAB-ROUTE w/Rails (see dwg)" at 152.081,72.3 h3.25
  text "Board Manufacturing Markings (Bottom Overlay)" at 149.081,68.3 h4.56
  text "Board Lot and QC Stamp" at 152.081,64.3 h3.25
  text "UL94V-0" at 152.081,61.3 h3.25
  text "ROHS" at 152.081,58.3 h3.25
  text "Board Drill Table" at 149,54 h4.56
  text "'.PCB_SPN' v'.PROJECT_VERSION'" at 8.6,-14.7 h4
  text "seriousintegrated.com" at 8.575,-17.557 h4
PCB Design Notes:
  text "NO PANEL RAILS IN THIS AREA" at 17.5,130 h1.52
  text "NO PANEL RAILS IN THESE AREAS" at 48,-7 h1.52
Drill Drawing:
  circle w0.254: c152.503,41.817 r1.268
  circle w0.254: c152.503,30.404 r0.761
  circle w0.254: c152.503,30.404 r1.268
  lines w0.254: 151.235,12.017 153.771,12.017 153.771,14.553 151.235,14.553 151.235,12.017 ; 151.235,18.357 151.869,18.357 151.869,17.723 153.137,17.723 153.137,18.357 153.771,18.357 153.771,19.625 153.137,19.625 153.137,20.259 151.869,20.259 151.869,19.625 151.235,19.625 151.235,18.357 ; 151.235,23.43 153.771,23.43 153.771,25.966 151.235,25.966 151.235,23.43 ; 151.235,36.111 152.503,34.843 153.771,36.111 152.503,37.379 151.235,36.111 ; 151.742,12.524 153.264,12.524 153.264,14.046 151.742,14.046 151.742,12.524 ; 151.742,18.611 152.123,18.611 152.123,18.23 152.884,18.23 152.884,18.611 153.264,18.611 153.264,19.372 152.884,19.372 152.884,19.752 152.123,19.752 152.123,19.372 151.742,19.372 151.742,18.611
  lines w0.5: 149,10.305 230.949,10.305 ; 149,44.544 230.949,44.544 ; 163.683,4.598 163.683,50.25 ; 177.126,4.598 177.126,50.25 ; 203.926,4.598 203.926,50.25 ; 215.427,4.598 215.427,50.25 ; 149,4.598 230.949,4.598 230.949,50.25 149,50.25 149,4.598
  text "Symbol" at 152.424,46.255 h3.9
  text "Count" at 165.395,46.255 h3.9
  text "Hole Size" at 178.838,46.255 h3.9
  text "Plated" at 205.638,46.255 h3.9
  text "Via/Pad" at 217.139,46.255 h3.9
  text "551" at 165.395,40.549 h3.25
  text "0.250mm (9.84mil)" at 178.838,40.549 h3.25
  text "PTH" at 205.638,40.549 h3.25
  text "Via" at 217.139,40.549 h3.25
  text "3" at 165.395,34.843 h3.25
  text "0.600mm (23.62mil)" at 178.838,34.843 h3.25
  text "PTH" at 205.638,34.843 h3.25
  text "Pad" at 217.139,34.843 h3.25
  text "10" at 165.395,29.136 h3.25
  text "0.700mm (27.56mil)" at 178.838,29.136 h3.25
  text "PTH" at 205.638,29.136 h3.25
  text "Pad" at 217.139,29.136 h3.25
  text "3" at 165.395,23.43 h3.25
  text "0.880mm (34.65mil)" at 178.838,23.43 h3.25
  text "NPTH" at 205.638,23.43 h3.25
  text "Pad" at 217.139,23.43 h3.25
  text "190" at 165.395,17.723 h3.25
  text "1.016mm (40.00mil)" at 178.838,17.723 h3.25
  text "PTH" at 205.638,17.723 h3.25
  text "Pad" at 217.139,17.723 h3.25
  text "4" at 165.395,12.017 h3.25
  text "3.175mm (125.00mil)" at 178.838,12.017 h3.25
  text "NPTH" at 205.638,12.017 h3.25
  text "Pad" at 217.139,12.017 h3.25
  text "761 Total" at 165.395,6.31 h3.25
Reference:
  rectangle: 40,63 40.2,63.2
  rectangle: 0,0 0.2,0.2
Document Frame:
  drawing of 44 lines, arcs and shapes, not listed
  text "1" at 4.675,177.47 h1.78
  text "2" at 93.465,177.47 h1.78
  text "3" at 182.238,177.47 h1.78
  text "4" at 271.291,177.47 h1.78
  text "A" at -37.396,151.613 h1.78
  text "A" at 313.124,151.613 h1.78
  text "B" at -37.396,97.638 h1.78
  text "B" at 313.124,97.638 h1.78
  text "C" at -37.396,43.663 h1.78
  text "C" at 313.124,43.663 h1.78
  text "ENGINEER:" at 197.575,-1.35 h1.14
  text "202 Business Park" at 277,-4 h4
  text "RDW & JMA" at 200.275,-5.55 h1.78
  text "576 East Germann Road" at 277,-7 h4
  text "PCB DESIGNER:" at 197.575,-8.95 h1.14
  text "Gilbert, AZ 85297 USA" at 277,-10 h4
  text "D" at -37.396,-10.312 h1.78
  text "D" at 313.124,-10.312 h1.78
  text "seriousintegrated.com" at 241.075,-11.45 h4
  text "(480) 646-8300" at 277,-13 h4
  text "RDW" at 200.275,-13.15 h1.78
  text "DATE:" at 197.575,-16.55 h1.14
  text "TITLE:" at 235.856,-16.91 h1.14
  text ".PROJECT_DATE" at 200.275,-20.75 h1.78
  text ".PROJECT_NAME" at 237,-20.801 h6
  text "REV:" at 298.138,-24.139 h1.14
  text "FILE NAME:" at 197.475,-24.25 h1.14
  text "PART NO.:" at 235.723,-24.311 h1.14
  text ".PCB_FILE_NAME_NO_PATH" at 200.275,-28.05 h1.78
  text ".PCB_SPN" at 237,-28.421 h6
  text ".PROJECT_VERSION" at 299.5,-28.421 h6
  text "1" at 4.675,-33.35 h1.78
  text "2" at 93.465,-33.35 h1.78
  text "3" at 182.238,-33.35 h1.78
  text "4" at 271.291,-33.35 h1.78

## Dimensions
0.794,0.594 to -2.375,-2.5 on Top Dimensions
0,122.46 to 80,122.475 on Top Dimensions
2.55,0 to 2.525,125 on Top Dimensions
2.525,125 to 3.5,121.5 on Top Dimensions
3.5,121.5 to 6.98,113.8 on Top Dimensions
6.98,113.8 to 9.52,60.46 on Top Dimensions
9.52,60.46 to 3.5,3.5 on Top Dimensions
0,122.46 to 3.5,121.5 on Top Dimensions
3.5,121.5 to 6.98,113.8 on Top Dimensions
3.5,121.5 to 10.155,122.865 on Top Dimensions
10.155,122.865 to 15.235,122.865 on Top Dimensions
3.5,3.5 to 36.19,2.215 on Top Dimensions
36.19,2.215 to 43.81,2.215 on Top Dimensions
3.5,121.5 to 76.5,121.5 on Top Dimensions
70.48,113.8 to 76.5,121.5 on Top Dimensions

## Text inside footprints (layer, text, board x,y; h text height)
A_Logo1: Bottom Overlay "Design by" at 46.423,21.312 h2
A_Symbol2: Bottom Overlay "TM" at 19.52,61.6 h1.03
A_Symbol3: Top Overlay "TM" at 59.246,36.521 h0.96